# Altium PCB new -finish.PcbDoc (part 2 of 2) (continued)
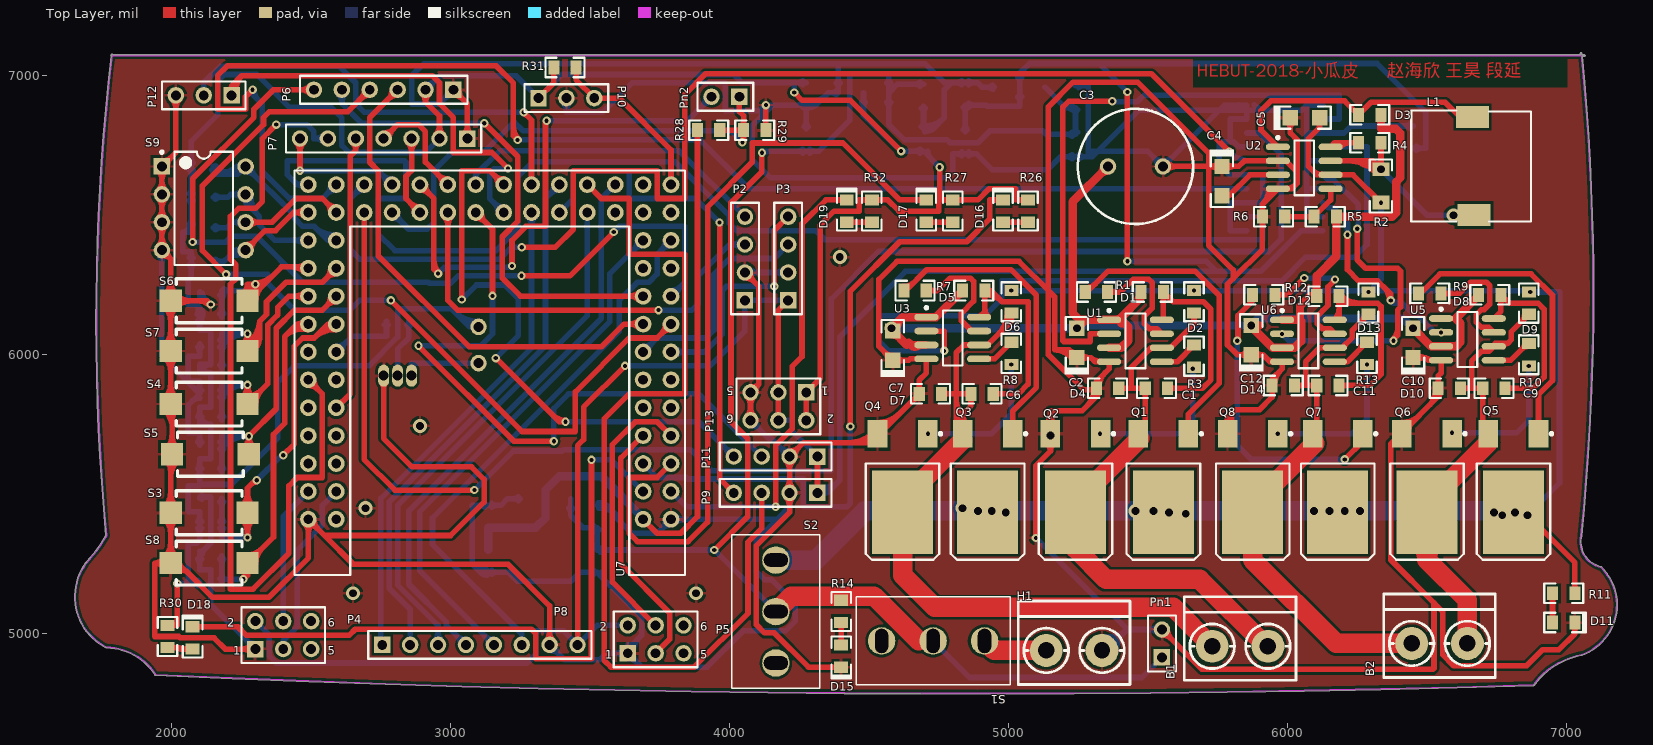
[diagram p0: Top Layer view]
## Nets (pads, with @x,y where several pads share a name; then routed paths per layer and width w, separated by ;. In a path a pad name is that pad's centre, name@x,y a point inside that pad or via, vN(x,y) a via of type N, cw(c..) or ccw(c..) an arc to the next point about the centre after c; other vN are vias at no path point) (continued)
  Bottom Layer w20: U7.38@3079.43,6626.98 ccw(c3067.6,6646) 3090,6646 ; U7.38@3090,6610 3090,6646 ; U7.38@3100.57,6626.98 cw(c3112.4,6646) 3090,6646 ; P2.4@4055,6495 3819,6731 3175,6731 3090,6646
PTB2: P11.3 U7.37 | length 2422.7
  Top Layer w20: v1(2885,6032) 3227,5690 v1(3370,5690) ; U7.37@3090,6490 cw(c3090,6441.72) 3124.14,6475.86 cw(c3158.28,6510) U7.37@3110,6510 ; U7.37@3090,6510 3150,6450 v1(3150,6211)
  Bottom Layer w20: v1(2885,6032) 3107,6032 3150,6075 v1(3150,6211) ; v1(3370,5690) 3370,5807.57 3422.43,5860 3890,5860 P11.3@4115,5635
PTB3: P11.4 U7.36 | length 2323.8
  Top Layer w20: v1(3040,6198) 3040,6660 3140,6660 U7.36@3190,6610 ; v1(3162,5988) 3390,5760 v1(3412,5760) ; U7.36@3170,6610 ccw(c3121.72,6610) 3155.86,6644.14 ccw(c3190,6678.28) U7.36@3190,6630 ; 3365.91,5784.09 ccw(c3412,5830.18) v1@3412,5765
  Bottom Layer w20: v1(3040,6198) 3092,6250 3193,6250 3243,6200 3243,6069 v1(3162,5988) ; v1(3412,5760) 3890,5760 P11.4@4015,5635 ; P11.4@3995.47,5635 ccw(c3948.33,5635) 3981.66,5668.34 ccw(c4015,5701.67) P11.4@4015,5654.53
PTB5: U7.19
PTB6: U7.20
PTC0: P8.3 U7.29 | length 1965.8
  Bottom Layer w20: P8.3@2941.19,4973.81 ccw(c2907.86,5007.14) 2955,5007.14 ccw(c3002.14,5007.14) P8.3@2968.81,4973.81 ; P8.3@2955,4960 2955,5030 2810,5175 2810,5460 3490,6140 U7.29@3490,6510
PTC1: P8.4 U7.28 | length 2115.5
  Bottom Layer w20: P8.4@3035.47,4960 ccw(c2988.33,4960) 3021.66,4993.34 ccw(c3055,5026.67) P8.4@3055,4979.53 ; P8.4@3055,4960 2985,5030 2985,5042.43 2850,5177.43 2850,5440 3540,6130 3540,6560 U7.28@3590,6610
PTC2: P8.5 U7.22 | length 2041
  Bottom Layer w20: P8.5@3135.47,4960 ccw(c3088.33,4960) 3121.66,4993.34 ccw(c3155,5026.67) P8.5@3155,4979.53 ; P8.5@3155,4960 2890,5225 2890,5437.57 3570,6117.57 3570,6290 U7.22@3690,6410 ; U7.22@3670,6410 cw(c3621.72,6410) 3655.86,6375.86 cw(c3690,6341.72) U7.22@3690,6390
PTC3: P8.6 U7.21 | length 2036.8
  Bottom Layer w20: P8.6@3255,4960 3255,5000 2935,5320 2935,5415 3605,6085 3605,6195.71 3669.29,6260 3710.71,6260 3740,6289.29 3740,6360 U7.21@3790,6410 ; U7.21@3770,6410 cw(c3721.72,6410) 3755.86,6375.86 cw(c3790,6341.72) U7.21@3790,6390
PTC5: P4.4 U7.70 | length 502.3
  Bottom Layer w20: P4.4@2400,5045 2400,5420 U7.70@2490,5510
PTC6: R21.1 U7.59 | length 371
  Bottom Layer w20: U7.59@2590,6010 2646,6066 2770,6066 R21.1@2770,6120 ; U7.59@2590,6030 ccw(c2590,6078.28) 2624.14,6044.14 ccw(c2658.28,6010) U7.59@2610,6010 ; R21.1@2762.93,6107.93 cw(c2745.86,6090.86) 2770,6090.86 cw(c2794.14,6090.86) R21.1@2777.07,6107.93
PTC7: C30.2 R20.1 S8.2 U7.58 | length 1729.2
  Top Layer w20: v1@2253.46,5198.54 ccw(c2209.36,5242.64) S8.2@2271.73,5242.64 ; v1@2254.6,5199.38 ccw(c2232.99,5238.79) S8.2@2276.4,5227.16 ; v1(2257,5195) 2271.73,5209.73 ; S8.2@2261.1,5225.14 cw(c2255.26,5209.73) 2271.73,5209.73 ; S8.2@2271.73,5283.19 ccw(c2271.73,5355.62) 2322.95,5304.4 ccw(c2374.16,5253.19) S8.2@2301.73,5253.19 ; S8.2@2282.37,5225.14 ccw(c2288.21,5209.73) 2271.73,5209.73 ; 2431.93,6091.93 cw(c2478.17,6045.68) U7.58@2490,6110 2450,6110 ; U7.58@2474,6098 ccw(c2450,6080) 2450,6110 ; U7.58@2474,6122 cw(c2450,6140) 2450,6110 ; U7.58@2486.38,6090.33 ccw(c2469.8,6000.21) 2405,6065 ; 2271.73,5209.73 S8.2@2271.73,5253.19 2365,5346.46 2365,5714.03 2405,5754.03 2405,6065 ; 2405,6065 2450,6110
  Bottom Layer w20: R20.1@2172.93,5197.07 ccw(c2155.86,5214.14) 2180,5214.14 ccw(c2204.14,5214.14) R20.1@2187.07,5197.07 ; C30.2@2172.93,5267.93 cw(c2155.86,5250.86) 2180,5250.86 cw(c2204.14,5250.86) C30.2@2187.07,5267.93 ; R20.1@2180,5185 R20.1@2180,5195 ; C30.2@2180,5280 R20.1@2180,5195 ; v1(2257,5195) R20.1@2180,5195
PTD0: D18.2 U7.4 | length 2531.1
  Top Layer w20: D18.2@2075,5025 2237,5025 2267,4995 2637,4995 2658,5016 3290,5016 3305,5001 3305,4910 3505,4910 v1(3505,5623) ; D18.2@2087.07,5017.93 cw(c2104.14,5000.86) 2104.14,5025 cw(c2104.14,5049.14) D18.2@2087.07,5032.07
  Bottom Layer w20: v1(3505,5623) 3577,5623 U7.4@3690,5510
PTD1: D19.2 U7.3 | length 1685.3
  Top Layer w20: v1(4165,5455) 4165,5675 4225,5735 4225,5959 4259.53,5993.53 4259.53,6469.53 4345,6555 D19.2@4420,6555 ; D19.2@4407.93,6547.93 ccw(c4390.86,6530.86) 4390.86,6555 ccw(c4390.86,6579.14) D19.2@4407.93,6562.07
  Bottom Layer w20: U7.3@3790,5510 3845,5455 v1(4165,5455)
PTD2: C29.2 R19.1 S7.2 U7.53 | length 1565.7
  Top Layer w20: S7.2@2253.17,6036.76 ccw(c2223.06,6075) v1(2271.73,6075) ; S7.2@2260.97,6041.19 ccw(c2230.73,6119.85) 2315,6119.85 ; S7.2@2268.14,6022.52 ccw(c2241.93,6090.73) 2315,6090.73 ; S7.2@2275.32,6003.86 ccw(c2253.12,6061.62) 2315,6061.62 ; S7.2@2275.51,6042.95 ccw(c2281.48,6089.97) 2315,6056.46 ; S7.2@2290.29,6036.76 cw(c2320.4,6075) v1(2271.73,6075) ; S7.2@2301.49,6016.97 cw(c2348.51,6022.94) 2315,6056.46 ; U7.53@2570,6310 cw(c2521.72,6310) 2555.86,6275.86 cw(c2590,6241.72) U7.53@2590,6290 ; U7.53@2590,6310 2540,6260 2410,6260 2340,6190 2340,6144.85 2315,6119.85 ; v1(2271.73,6075) S7.2@2271.73,6013.19 2315,6056.46 ; 2315,6056.46 2315,6119.85
  Bottom Layer w20: C29.2@2172.67,6051.8 cw(c2225.86,6002.41) 2225.86,6075 ; R19.1@2172.93,5962.07 ccw(c2155.86,5979.14) 2180,5979.14 ccw(c2204.14,5979.14) R19.1@2187.07,5962.07 ; C29.2@2172.93,6027.93 cw(c2155.86,6010.86) 2180,6010.86 cw(c2204.14,6010.86) C29.2@2187.07,6027.93 ; C29.2@2172.93,6052.07 ccw(c2155.86,6069.14) 2180,6069.14 ccw(c2204.14,6069.14) C29.2@2187.07,6052.07 ; R19.1@2180,5950 C29.2@2180,6040 2180,6075 v1(2271.73,6075) ccw(c2271.73,5959.83) C29.2@2187.33,6038.2
PTD3: R23.1 S9.7 U7.52 | length 805.2
  Bottom Layer w20: R23.1@2150,6565 2202,6565 2212,6575 S9.7@2265,6575 2265,6545.04 ; R23.1@2157.07,6557.93 cw(c2174.14,6540.86) 2174.14,6565 cw(c2174.14,6589.14) R23.1@2157.07,6572.07 ; S9.7@2251.19,6561.19 ccw(c2217.86,6527.86) 2217.86,6575 ccw(c2217.86,6622.14) S9.7@2251.19,6588.81 ; S9.7@2257.12,6557.13 cw(c2251.79,6545.04) 2265,6545.04 ; S9.7@2264.53,6575.03 ccw(c2327.26,6571.63) 2282.84,6527.21 ; S9.7@2272.88,6557.13 ccw(c2278.21,6545.04) 2265,6545.04 ; S9.7@2284.5,6573.94 ccw(c2387.37,6568.37) 2314.53,6495.52 ; U7.52@2475.86,6395.86 ccw(c2441.72,6361.72) 2441.72,6410 ccw(c2441.72,6458.28) U7.52@2475.86,6424.14 ; U7.52@2490,6410 2370,6410 2314.53,6465.47 2314.53,6495.52 ; 2265,6545.04 2314.53,6495.52
PTD4: R22.1 S9.8 U7.51 | length 1180
  Bottom Layer w20: R22.1@2142.93,6662.93 ccw(c2180.18,6700.18) 2180.18,6647.5 ; R22.1@2150,6675 2150,6647.5 ; 2151.47,6647.5 ccw(c2151.47,6788.53) S9.8@2251.19,6688.81 ; R22.1@2157.07,6677.07 ccw(c2228.46,6748.46) 2228.46,6647.5 ; 2199.75,6647.5 ccw(c2199.75,6740.25) S9.8@2265.33,6674.67 ; S9.8@2265,6655.47 cw(c2265,6608.33) 2298.34,6641.66 cw(c2331.67,6675) S9.8@2284.53,6675 ; 2542.47,6428.24 ccw(c2586.71,6472.49) U7.51@2590,6410 2560.71,6410 2510.71,6460 ; U7.51@2588.95,6429.97 cw(c2583.54,6532.83) 2510.71,6460 ; 2150,6647.5 cw(c2170.31,6647.5) 2156.7,6662.58 ccw(c2170.31,6647.5) 2150,6647.5 ; 2150,6647.5 ccw(c2129.69,6647.5) 2143.3,6662.58 cw(c2129.69,6647.5) 2150,6647.5 ; 2150,6647.5 2237.5,6647.5 S9.8@2265,6675 2440,6500 2440,6489.29 2469.29,6460 2510.71,6460
PTD5: P10.3 R31.2 U7.25 | length 651.2
  Top Layer w20: R31.2@3442.93,7017.93 cw(c3425.86,7000.86) 3450,7000.86 cw(c3474.14,7000.86) R31.2@3457.07,7017.93 ; R31.2@3450,7030 3450,6985 P10.3@3515,6920 3604.53,6920 3790,6734.53 U7.25@3790,6610
PTD6: U7.24
PTD7: U7.23
PTE0: P4.3 U7.69 | length 674.2
  Bottom Layer w20: P4.3@2392.12,4962.87 ccw(c2386.79,4974.96) 2400,4974.96 ; P4.3@2400,4945 2400,4974.96 ; P4.3@2407.88,4962.87 cw(c2413.21,4974.96) 2400,4974.96 ; U7.69@2590,5510 2540,5460 2540,5389.29 2449.53,5298.82 2449.53,5024.49 2400,4974.96
PTE1: U7.68
PTE2: P7.5 U7.63 | length 1058.1
  Top Layer w20: U7.63@2590,5810 2640,5860 2640,6712 2660,6732 ; P7.5@2647.15,6760.3 cw(c2622.42,6732) 2660,6732 ; P7.5@2660,6775 2660,6732 ; P7.5@2672.85,6760.3 ccw(c2697.58,6732) 2660,6732
PTE3: P7.6 U7.62 | length 3161
  Top Layer w20: v1(2375,6825) 2325,6775 2325,6550 2300,6525 2240,6525 2211,6496 2211,6342.28 2230,6323.28 2230,6272.28 2211,6253.28 2211,5160 2291.67,5160 2420,5288.33 2420,5530 2450,5560 2540,5560 2540,5860 U7.62@2490,5910 ; U7.62@2490,5890 cw(c2490,5841.72) 2524.14,5875.86 cw(c2558.28,5910) U7.62@2510,5910
  Bottom Layer w20: v1(2375,6825) 2485,6825 2510,6800 2510,6775 P7.6@2560,6775 ; P7.6@2546.19,6761.19 ccw(c2512.86,6727.86) 2512.86,6775 ccw(c2512.86,6822.14) P7.6@2546.19,6788.81
PTE4: P7.7 U7.44 | length 615.6
  Top Layer w20: P7.7@2446.19,6761.19 cw(c2412.86,6727.86) 2460,6727.86 cw(c2507.14,6727.86) P7.7@2473.81,6761.19 ; v1(2460,6660) P7.7@2460,6775
  Bottom Layer w20: v1(2460,6660) 2740,6660 U7.44@2790,6610 ; U7.44@2770,6610 ccw(c2721.72,6610) 2755.86,6644.14 ccw(c2790,6678.28) U7.44@2790,6630
PTE5: P6.5 U7.18 | length 1899.2
  Top Layer w20: v1(3120.84,6830) 3240.5,6710.34 3240.5,6633 3240,6632.5 3240,6478 3185,6423 3185,6275 3250,6210 U7.18@3690,6210 ; U7.18@3675.86,6195.86 ccw(c3641.72,6161.72) 3641.72,6210 ccw(c3641.72,6258.28) U7.18@3675.86,6224.14
  Bottom Layer w20: P6.5@2596.19,6936.19 cw(c2562.86,6902.86) 2610,6902.86 cw(c2657.14,6902.86) P6.5@2623.81,6936.19 ; P6.5@2610,6950 2610,6900 2680,6830 v1(3120.84,6830)
PTE6: P6.6 U7.17 | length 3160.2
  Top Layer w20: v1(2075,6404) 2075,6630.94 2294.53,6850.47 2294.53,6880 2364.53,6950 P6.6@2510,6950 ; P6.6@2496.19,6936.19 ccw(c2462.86,6902.86) 2462.86,6950 ccw(c2462.86,6997.14) P6.6@2496.19,6963.81 ; v1(3254,6283) 3428,6283 v1(3585,6440)
  Bottom Layer w20: v1(2075,6404) 2194,6404 2215,6425 2304,6425 2469,6260 2920,6260 2924,6256 3000,6256 3027,6283 v1(3254,6283) ; v1(3585,6440) 3605,6460 3840,6460 3840,6260 U7.17@3790,6210 ; U7.17@3790,6230 ccw(c3790,6278.28) 3824.14,6244.14 ccw(c3858.28,6210) U7.17@3810,6210
PTE7: P5.3 U7.8 | length 906.3
  Top Layer w20: U7.8@3690,5710 3610,5630 3610,5250 3785,5075 3785,4980 P5.3@3735,4930
PTF0: R25.1 S9.5 U7.49 | length 789
  Top Layer w20: S9.5@2265,6375 2335,6445 2372.43,6445 2437.43,6510 U7.49@2490,6510 ; S9.5@2265,6394.53 ccw(c2265,6441.67) 2298.34,6408.34 ccw(c2331.67,6375) S9.5@2284.53,6375 ; U7.49@2475.86,6495.86 ccw(c2441.72,6461.72) 2441.72,6510 ccw(c2441.72,6558.28) U7.49@2475.86,6524.14
  Bottom Layer w20: R25.1@2150,6335 2187,6335 ; R25.1@2157.07,6327.93 cw(c2174.14,6310.86) 2174.14,6335 cw(c2174.14,6359.14) R25.1@2157.07,6342.07 ; 2212.43,6360.43 cw(c2252.28,6320.59) S9.5@2265.11,6375.46 ; S9.5@2249.12,6363.63 ccw(c2227,6347.79) 2227,6375 ; S9.5@2249.12,6386.37 cw(c2227,6402.21) 2227,6375 ; S9.5@2260.56,6355.98 ccw(c2242.65,6279.36) 2187,6335 ; S9.5@2265,6375 2227,6375 ; 2187,6335 2227,6375
PTF1: R24.1 S9.6 U7.47 | length 766.1
  Top Layer w20: S9.6@2265,6475 2360,6475 2445,6560 2540,6560 U7.47@2590,6510 ; S9.6@2278.81,6461.19 cw(c2312.14,6427.86) 2312.14,6475 cw(c2312.14,6522.14) S9.6@2278.81,6488.81 ; U7.47@2570,6510 ccw(c2521.72,6510) 2555.86,6544.14 ccw(c2590,6578.28) U7.47@2590,6530
  Bottom Layer w20: R24.1@2150,6455 2197,6455 2217,6475 S9.6@2265,6475 ; R24.1@2157.07,6447.93 cw(c2174.14,6430.86) 2174.14,6455 cw(c2174.14,6479.14) R24.1@2157.07,6462.07 ; S9.6@2251.19,6461.19 ccw(c2217.86,6427.86) 2217.86,6475 ccw(c2217.86,6522.14) S9.6@2251.19,6488.81
PTF2: P7.3 U7.41 | length 443.9
  Top Layer w20: P7.3@2846.19,6761.19 cw(c2812.86,6727.86) 2860,6727.86 cw(c2907.14,6727.86) P7.3@2873.81,6761.19 ; P7.3@2860,6775 2860,6660 2840,6640 2840,6560 U7.41@2890,6510 ; U7.41@2870,6510 ccw(c2821.72,6510) 2855.86,6544.14 ccw(c2890,6578.28) U7.41@2890,6530
PTF3: P7.4 U7.40 | length 553.8
  Top Layer w20: P7.4@2760,6775 2810,6825 2884.53,6825 2909.53,6800 2909.53,6690.47 U7.40@2990,6610 ; P7.4@2760,6794.53 ccw(c2760,6841.67) 2793.34,6808.34 ccw(c2826.67,6775) P7.4@2779.53,6775 ; U7.40@2970,6610 ccw(c2921.72,6610) 2955.86,6644.14 ccw(c2990,6678.28) U7.40@2990,6630
PTF4: P12.1 U7.35 | length 1766
  Top Layer w20: P12.1@2205.16,6946.87 ccw(c2195.17,6964) 2215,6964 ; P12.1@2214.54,6929.88 cw(c2260,6942.34) 2226.67,6975.67 ; P12.1@2215,6930 2215,6964 ; P12.1@2224.84,6946.87 cw(c2234.83,6964) 2215,6964 ; P12.1@2233.83,6935.17 cw(c2298.18,6952.82) 2251,7000 ; v1(3205.5,6667.5) 3148,6725 3010,6725 3010,6850 2960,6900 2960,6975 2935,7000 2251,7000 ; 2215,6964 2251,7000
  Bottom Layer w20: U7.35@3170,6510 ccw(c3121.72,6510) 3155.86,6544.14 ccw(c3190,6578.28) U7.35@3190,6530 ; U7.35@3190,6510 3140,6560 3140,6652 3155.5,6667.5 v1(3205.5,6667.5)
PTF5: P12.2 U7.34 | length 1599.9
  Top Layer w20: v1(3262,6869) 3290,6841 U7.34@3290,6610
  Bottom Layer w20: P12.2@2115,6930 2115,6975 2174.72,7034.72 2600.28,7034.72 2660,6975 2660,6900 2691,6869 v1(3262,6869)
PTF6: P8.1 U7.33 | length 1851.6
  Bottom Layer w20: P8.1@2755,4960 2750,4965 2750,5484.85 3290,6024.85 U7.33@3290,6510 ; U7.33@3275.86,6495.86 cw(c3241.72,6461.72) 3290,6461.72 cw(c3338.28,6461.72) U7.33@3304.14,6495.86
PTF7: P8.2 U7.32 | length 2009.6
  Bottom Layer w20: P8.2@2855,4960 2855,5087.57 2780,5162.57 2780,5472.43 3340,6032.43 3340,6560 U7.32@3390,6610 ; U7.32@3370,6610 cw(c3321.72,6610) 3355.86,6575.86 cw(c3390,6541.72) U7.32@3390,6590
PTG4: U4.2 U7.50 | length 4687.9
  Bottom Layer w20: U7.50@2474,6598 ccw(c2450,6580) 2450,6610 ; U7.50@2474,6622 cw(c2450,6640) 2450,6610 ; U7.50@2490,6610 2450,6610 ; U4.2@5853.19,6495 5911,6495 5911,6413 4341,6413 4309,6445 4025,6445 3999,6471 3999,6498 3805,6692 3295,6692 3240,6637 3240,6450 3163,6373 2800,6373 2740,6433 2740,6560 2840,6560 2840,6690 2835,6695 2415,6695 2415,6645 2450,6610
PTG5: U4.4 U7.48 | length 5096.6
  Top Layer w20: v1(2290,6950) 2264.53,6924.53 2264.53,6880.47 2165,6880.47 2165,7001 2200,7036 3163,7036 3225,6974 3225,6785 v1(3240,6770) ; 3225,6818.28 ccw(c3288.28,6818.28) v1@3243.54,6773.54
  Bottom Layer w20: v1(2290,6950) 2290,6933 2325,6898 2325,6657.43 2422.43,6560 2540,6560 U7.48@2590,6610 ; v1@2295,6950 ccw(c2348.11,6950) 2310.56,6912.44 ; U7.48@2570,6610 cw(c2521.72,6610) 2555.86,6575.86 cw(c2590,6541.72) U7.48@2590,6590 ; v1(3240,6770) 3894,6770 4069,6595 U4.4@5853.19,6595
PTG6: U4.6 U7.46 | length 4440.5
  Top Layer w20: v1(3255,6385.57) 3375.57,6385.57 3440,6450 3440,6660 3740,6660 3740,6560 3840,6560 3840,6933 3914.23,7007.23 5511.77,7007.23 v1(5791,6728)
  Bottom Layer w20: U7.46@2670,6610 cw(c2621.72,6610) 2655.86,6575.86 cw(c2690,6541.72) U7.46@2690,6590 ; U7.46@2690,6610 2640,6560 2640,6377 2674,6343 3176.15,6343 3218.72,6385.57 v1(3255,6385.57) ; v1(5791,6728) 5809,6710 U4.6@5853.19,6695
PTG7: U4.8 U7.45 | length 5472.5
  Top Layer w20: U7.45@2690,6510 2690,5625 2800,5515 v1(3085,5515)
  Bottom Layer w20: v1(3085,5515) 3225,5655 3400,5655 3405,5660 3860,5660 3935.47,5584.53 4364.58,5584.53 4364.58,6200.58 4534,6370 5932,6370 5977,6415 5977,6718 5900,6795 U4.8@5853.19,6795
PTH0: P6.3 U7.16 | length 1918.1
  Top Layer w20: P6.3@2790.47,6950 cw(c2743.33,6950) 2776.66,6916.66 cw(c2810,6883.33) P6.3@2810,6930.47 ; P6.3@2810,6950 2710,6850 2710,6690 2740,6660 2740,6355.03 3067.03,6028 3540,6028 3622,6110 U7.16@3690,6110 ; U7.16@3675.86,6095.86 ccw(c3641.72,6061.72) 3641.72,6110 ccw(c3641.72,6158.28) U7.16@3675.86,6124.14
PTH1: P6.4 U7.15 | length 3379.4
  Top Layer w20: v1(2195,6288) 2110,6373 2110,6605.94 2329.06,6825 2329.06,6850 2349.53,6870.47 2630.47,6870.47 P6.4@2710,6950 ; P6.4@2690.47,6950 cw(c2643.33,6950) 2676.66,6916.66 cw(c2710,6883.33) P6.4@2710,6930.47 ; v1(2785.88,6195) 3255.88,5725 3447,5725 3447,5867 3640,6060 3740,6060 U7.15@3790,6110 ; U7.15@3770,6110 cw(c3721.72,6110) 3755.86,6075.86 cw(c3790,6041.72) U7.15@3790,6090
  Bottom Layer w20: v1(2195,6288) 2345,6288 2345,6255 2440,6160 2639,6160 2674,6195 v1(2785.88,6195)
PTH2: U7.9
PTH3: P9.4 U7.31 | length 1820.5
  Top Layer w20: v1(3964,6474) 3964,5556 P9.4@4015,5505
  Bottom Layer w20: U7.31@3390,6510 3440,6560 3440,6660 3640,6660 3640,6560 3878,6560 v1(3964,6474)
PTH4: P9.3 U7.30 | length 3321.6
  Top Layer w20: U7.30@3490,6610 3540,6560 3640,6560 3640,6360 3840,6360 3840,5860 3640,5860 3550,5770 3550,4905 3575,4880 3873,4880 4066,5073 4066,5328.43 4115,5377.43 P9.3@4115,5505
PTH5: P5.4 U7.7 | length 976.9
  Top Layer w20: P5.4@3735,5030 3580,5185 3580,5678 3662,5760 3740,5760 U7.7@3790,5710
PTH6: D16.2 U7.6 | length 2391.1
  Top Layer w20: v1(4433,5743) 4433,6228 4610,6405 4850,6405 4933,6488 4933,6555 D16.2@4980,6555 ; D16.2@4967.93,6547.93 ccw(c4950.86,6530.86) 4950.86,6555 ccw(c4950.86,6579.14) D16.2@4967.93,6562.07
  Bottom Layer w20: U7.6@3690,5610 3740,5560 3845,5560 3850.47,5554.53 4265,5554.53 4265,5455 4421,5455 4433,5467 v1(4433,5743)
PTH7: D17.2 U7.5 | length 2864.8
  Top Layer w20: U7.5@3790,5610 3740,5560 3640,5560 3640,5360 3670,5330 3851,5330 3921,5400 3921,6530 4081,6690 4081,6759 4406,6759 4610,6555 D17.2@4705,6555 ; D17.2@4692.93,6547.93 ccw(c4675.86,6530.86) 4675.86,6555 ccw(c4675.86,6579.14) D17.2@4692.93,6562.07
PTI0: P3.3 U7.14 | length 872.8
  Bottom Layer w20: U7.14@3690,6010 3740,6060 3915.53,6060 3944,6088.47 3944,6289 4000,6345 4160,6345 P3.3@4210,6395 ; U7.14@3690,6030 ccw(c3690,6078.28) 3724.14,6044.14 ccw(c3758.28,6010) U7.14@3710,6010
PTI1: P3.4 U7.13 | length 905.9
  Top Layer w20: v1(4160,6245) 4160,6445 P3.4@4210,6495
  Bottom Layer w20: U7.13@3790,6010 3910,6010 3974,6074 3974,6231 3988,6245 v1(4160,6245) ; U7.13@3804.14,5995.86 cw(c3838.28,5961.72) 3838.28,6010 cw(c3838.28,6058.28) U7.13@3804.14,6024.14
VBAT: C5.1 D2.1 D6.1 D9.1 D13.1 Q1.2 Q3.2 Q5.2 Q7.2 R2.2 R11.1 S2.1 U2.6 | length 7393.1
  Top Layer w20: Q3.2@4900.61,5429.39 cw(c4926.21,5403.79) 4926.21,5440 cw(c4926.21,5476.21) Q3.2@4900.61,5450.61 ; Q3.2@4900.86,5429.66 cw(c4925,5406.67) Q3.2@4925,5440 ; Q3.2@4900.86,5450.34 ccw(c4925,5473.33) Q3.2@4925,5440 ; Q3.2@4925,5435 Q3.2@4925,5440 ; v2(4940,5440) Q3.2@4925,5440 ; Q1.2@5555,5435 v2(5575,5435) ; 6089.19,6660.81 ccw(c6122.99,6694.62) U2.6@6122.99,6646.81 ; C5.1@6104.5,6836 cw(c6088.75,6815) 6115,6815 ; C5.1@6115,6850 6115,6815 ; C5.1@6125.5,6836 ccw(c6141.25,6815) 6115,6815 ; Q7.2@6160.61,5429.39 cw(c6186.21,5403.79) 6186.21,5440 cw(c6186.21,5476.21) Q7.2@6160.61,5450.61 ; Q7.2@6162,5431 cw(c6180,5417.5) Q7.2@6180,5440 ; Q7.2@6162,5449 ccw(c6180,5462.5) Q7.2@6180,5440 ; Q7.2@6180,5435 Q7.2@6180,5440 ; v2(6205,5440) Q7.2@6180,5440 ; v1(6335,6545) 6235,6645 U2.6@6154.49,6645 6105,6645 6075,6675 6075,6775 6115,6815 ; Q5.2@6860,5410 cw(c6860,5373.79) 6885.61,5399.39 cw(c6911.21,5425) Q5.2@6875,5425 ; v2(6860,5425) 7030,5255 R11.1@7030,5145 ; R11.1@7022.93,5157.07 ccw(c7005.86,5174.14) 7030,5174.14 ccw(c7054.14,5174.14) R11.1@7037.07,5157.07
  Bottom Layer w20: v1(5010,6230) v1(5665,6230) 6285,6230 v1(6290,6225) ; 6265.86,6230 cw(c6265.86,6200.86) v1@6286.46,6221.46 ; v1@6293.54,6221.46 cw(c6314.14,6200.86) 6314.14,6230 ; v1(6335,6545) 6335,6270 v1(6290,6225) ; v2(6740,5435) 6750,5425 v2(6770,5425) cw(c6770,5440.5) v2@6754.75,5437.7 ; v2@6860,5440 ccw(c6860,5476.21) 6885.61,5450.61 ccw(c6911.21,5425) v2@6875,5425 ; v2@6875,5440 6975,5540 6975,6225 v1(6870,6225) 6865,6230 6295,6230 v1(6290,6225)
  Bottom Layer w70: S2.1@4166,5264 4309,5264 4485,5440 v2@6815,5440 ; v2(6815,5435) v2@6875,5440
  other v2: 5635,5430 4990,5435 4890,5440 5455,5440 5520,5440 6095,5440 6150,5440 6260,5440 4835,5450
VCC: 1.3 2.3 3.3 C13.1 C15.2 C17.2 C18.2 C21.1 C23.2 Pn1.1 R14.2 S1.2 S2.2 | length 6961.3
  Top Layer w20: v1(3945.32,5300) 4065,5419.68 4065,5700 4005,5760 4005,6545 4116,6656 v1(4116,6724) ; S2.2@4166,5079.5 4206.5,5120 ; S2.2@4181.82,5115.38 ccw(c4190.79,5135.71) 4206.5,5120 ; S2.2@4201.88,5095.32 cw(c4222.21,5104.29) 4206.5,5120 ; R14.2@4387.93,5112.93 ccw(c4370.86,5095.86) 4370.86,5120 ccw(c4370.86,5144.14) R14.2@4387.93,5127.07 ; R14.2@4400,5120 4206.5,5120 ; S1.2@4691.65,4963.74 ccw(c4678.24,4960.1) 4678.24,4974 ; S1.2@4691.65,4984.26 cw(c4678.24,4987.9) 4678.24,4974 ; S1.2@4729.5,4974 4678.24,4974
  Top Layer w70: S2.2@4166,5079.5 4221.5,5135 4517.24,5135 4678.24,4974
  Bottom Layer w20: 3.3@3423.7,5449.77 cw(c3407.17,5433.23) 3430.55,5433.23 cw(c3453.93,5433.23) 3.3@3437.4,5449.77 ; 3.3@3430.55,5484.17 3430.55,5424.45 3475,5380 C23.2@3525,5380 C21.1@3525,5300 v1(3945.32,5300) 3945.5,5300 S2.2@4166,5079.5 ; C23.2@3512.93,5372.93 ccw(c3495.86,5355.86) 3495.86,5380 ccw(c3495.86,5404.14) C23.2@3512.93,5387.07 ; C21.1@3517.93,5307.07 ccw(c3500.86,5324.14) 3525,5324.14 ccw(c3549.14,5324.14) C21.1@3532.07,5307.07 ; C23.2@3517.93,5372.93 cw(c3500.86,5355.86) 3525,5355.86 cw(c3549.14,5355.86) C23.2@3532.07,5372.93 ; C21.1@3537.07,5292.93 cw(c3554.14,5275.86) 3554.14,5300 cw(c3554.14,5324.14) C21.1@3537.07,5307.07 ; v1(4116,6724) 4122,6730 C15.2@4275,6730 4320,6730 4430,6840 4430,7007 4570.55,7007 1.3@4570.55,6939.17 ; v1@4119.54,6720.46 cw(c4142.56,6697.44) 4142.56,6730 ; C15.2@4262.93,6722.93 ccw(c4245.86,6705.86) 4245.86,6730 ccw(c4245.86,6754.14) C15.2@4262.93,6737.07 ; C15.2@4287.07,6722.93 cw(c4304.14,6705.86) 4304.14,6730 cw(c4304.14,6754.14) C15.2@4287.07,6737.07 ; 1.3@4563.7,6904.77 cw(c4547.17,6888.23) 4570.55,6888.23 cw(c4593.93,6888.23) 1.3@4577.4,6904.77 ; 1.3@4563.7,6973.58 ccw(c4547.17,6990.11) 4570.55,6990.11 ccw(c4593.93,6990.11) 1.3@4577.4,6973.58 ; C13.1@4682.93,6962.93 ccw(c4665.86,6945.86) 4665.86,6970 ccw(c4665.86,6994.14) C13.1@4682.93,6977.07 ; C13.1@4695,6970 4601.38,6970 1.3@4570.55,6939.17 ; S1.2@4729.5,4974 4860.5,4843 5478,4843 Pn1.1@5550,4915 ; 2.3@5130.55,6959.17 5204.73,6885 C18.2@5240,6885 C17.2@5240,6790 5135,6790 5122,6803 4933,6803 4890,6760 4791,6760 4781,6770 4626.55,6770 4570.55,6826 1.3@4570.55,6939.17 ; C17.2@5227.93,6782.93 ccw(c5210.86,6765.86) 5210.86,6790 ccw(c5210.86,6814.14) C17.2@5227.93,6797.07 ; C18.2@5227.93,6877.93 ccw(c5210.86,6860.86) 5210.86,6885 ccw(c5210.86,6909.14) C18.2@5227.93,6892.07 ; C17.2@5232.93,6797.07 ccw(c5215.86,6814.14) 5240,6814.14 ccw(c5264.14,6814.14) C17.2@5247.07,6797.07 ; C18.2@5232.93,6877.93 cw(c5215.86,6860.86) 5240,6860.86 cw(c5264.14,6860.86) C18.2@5247.07,6877.93
pads on no net: 1.4 2.4 3.4 P4.5 P4.6 P5.5 P5.6 S1.3 S2.3 U7.10 U7.11 U7.12 U7.26 U7.27 U7.60 U7.61 U7.64 U7.65 U7.66 U7.67 U7.71

## Polygon pours and split planes (outlines as drawn)
GND on Bottom Layer "Bottom Layer-No Net" (solid, remove dead copper, pour order 17): 1220,7375 1150,7305 1150,4590 7370,4590 7655,4305 7315,4645 7315,7430
GND on Top Layer "Bottom Layer-No Net" (solid, remove dead copper, pour order 19): 1250,7375 1250,4360 1265,4345 1365,4445 7840,4445 7840,7035 7545,7330

## Keep-outs
Keep-Out Layer:
  lines w5: 1766.49,5351.42 cw(c1354.87,5583.62) 1703.89,5264.97 ccw(c1857.94,5132.66) 1766.49,4951.34 cw(c1763.61,4739.71) 1942.19,4853.31 ; 1766.49,5351.43 cw(c10055.25,6117.88) 1786.33,7074.92 ; 1785,7072.11 7064.01,7072.11 ; 1942.74,4853.28 ccw(c4888.74,69406.09) 6882.43,4816.86 ; 6882.38,4816.86 cw(c7103.51,4655.1) 7054.56,4924.67 ccw(c6989.57,5103.27) 7124.11,5237.51 cw(c7144.82,5330.7) 7051.63,5351.42 ; 7051.64,5351.48 ccw(c-1623.14,6220.55) 7052.58,7080.23

## Other copper
Top Layer:
  text "HEBUT-2018-小瓜皮" at 5675,6980 h80
  text "赵海欣 王昊 段延" at 6355,6980 h80

## Silkscreen, mask and mechanical layers (free items; w line width, h text height)
Top Paste:
  lines w70: 4166,5079.5 4221.5,5135 4517.24,5135 4678.24,4974 ; 4619.16,5479.16 4835,5695 ; 4620,5435 4620,5210 4735,5095 5590,5095 5730,4955 ; 4945,4940 5132,4940 ; 5240,5305 5350,5195 5685,5195 5925,4955 ; 5240,5470 5470,5700 ; 5872.5,5457.5 6095,5680 ; 5875,5265 6175,4965 6445,4965 ; 6500,5265 6645,5120 6645,4965 ; 6504.76,5469.76 6725,5690
Bottom Paste:
  lines w70: 4157,5265 4300,5265 ; 4309,5264 4485,5440 ; 4500,5440 6830,5440
Top Solder:
  lines w70: 4166,5079.5 4221.5,5135 4517.24,5135 4678.24,4974 ; 4619.16,5479.16 4835,5695 ; 4620,5435 4620,5210 4735,5095 5590,5095 5730,4955 ; 4945,4940 5132,4940 ; 5240,5305 5350,5195 5685,5195 5925,4955 ; 5240,5470 5470,5700 ; 5872.5,5457.5 6095,5680 ; 5875,5265 6175,4965 6445,4965 ; 6500,5265 6645,5120 6645,4965 ; 6504.76,5469.76 6725,5690
Bottom Solder:
  lines w70: 4157,5265 4300,5265 ; 4309,5264 4485,5440 ; 4500,5440 6830,5440

## Text inside footprints (layer, text, board x,y; h text height)
bell1: Bottom Overlay "+" at 3226,6275 h30 r90
P4: Top Overlay "6" at 2560,5025 h30; Top Overlay "5" at 2560,4925 h30; Top Overlay "2" at 2200,5025 h30; Top Overlay "1" at 2220,4925 h30
P5: Top Overlay "6" at 3895,5010 h30; Top Overlay "5" at 3895,4910 h30; Top Overlay "2" at 3535,5010 h30; Top Overlay "1" at 3555,4910 h30
P13: Top Overlay "6" at 4015,5785 h30 r180; Top Overlay "5" at 4015,5885 h30 r180; Top Overlay "2" at 4375,5785 h30 r180; Top Overlay "1" at 4355,5885 h30 r180